# KiCad board rp2040.kicad_pcb (continued)
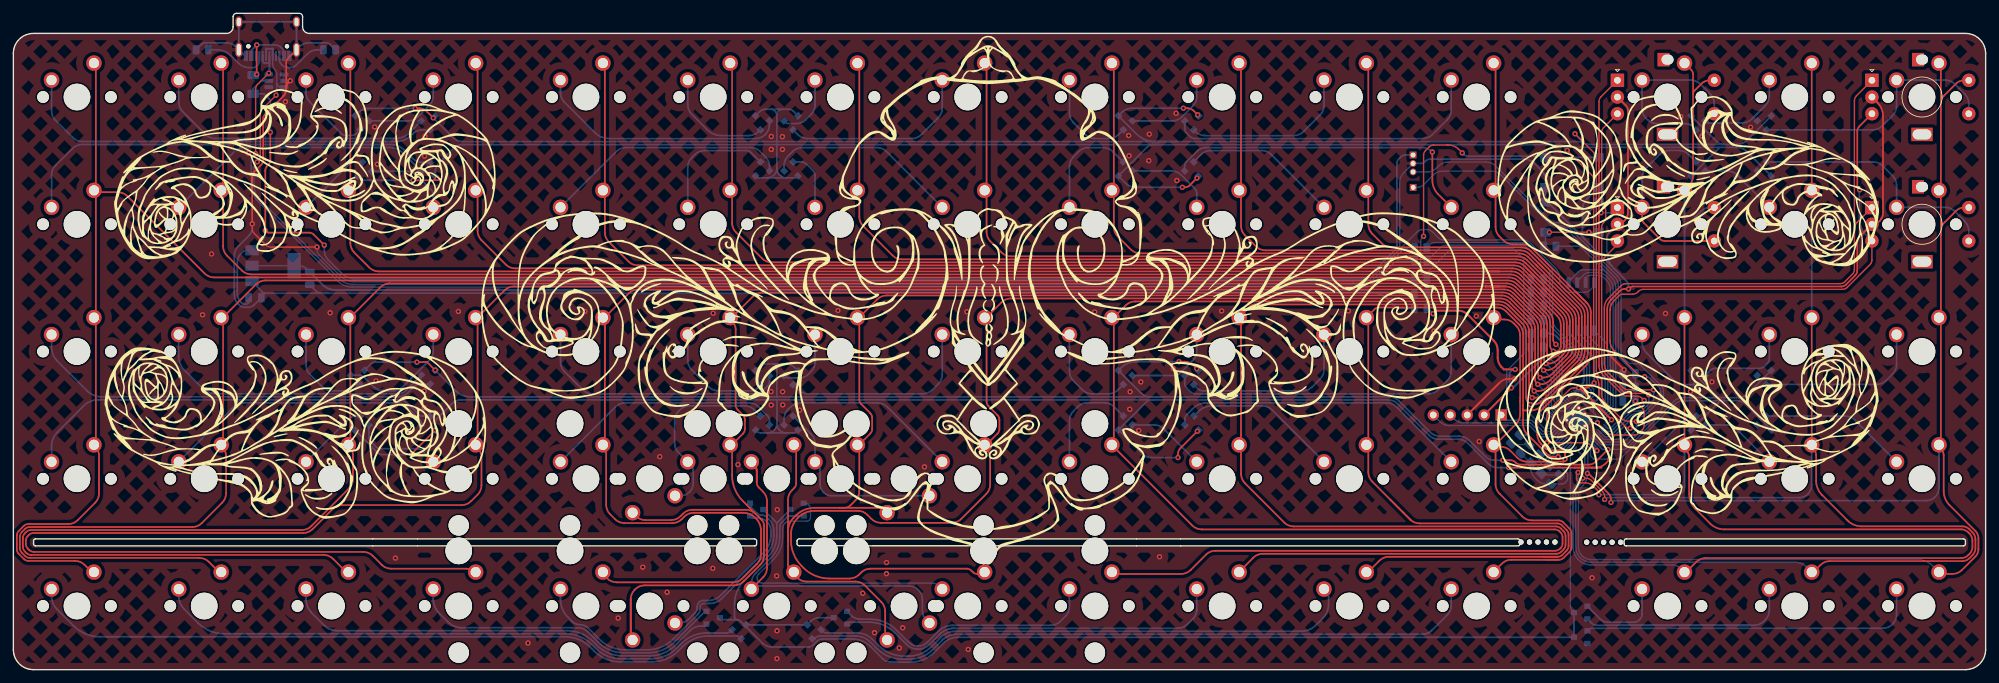
[diagram p0: board, top side]
## Routing (per net, layer and track width the routed paths; a pad name or vN(x,y) marks a point on that pad's centre or on a via; arc(x,y) is an arc through that point) (continued)
Net-(D1-Pad1): length 65
  Bottom w0.25: D1.1 61.19,80.8 arc(60.42,80.64) 59.77,80.21 59.51,79.95 arc(58.54,79.3) 57.39,79.07 10.3,79.07 arc(9.54,79.22) 8.89,79.66 6.3,82.24 arc(5.87,82.89) 5.71,83.66 5.71,88.27 ; 5.72,88.28 5.72,88.12 arc(5.75,87.98) 5.83,87.86 6.25,87.45
Net-(D1-Pad2): length 43.2
  Bottom w0.25: 24.72,88.22 24.76,88.26 arc(24.77,88.26) 24.78,88.25 24.78,88.22 ; D1.2 61.06,82.14 arc(61.05,82.14) 61.04,82.13 59.31,80.4 arc(58.33,79.75) 57.19,79.52 30.2,79.52 arc(29.44,79.67) 28.79,80.1 25.35,83.54 arc(24.92,84.19) 24.76,84.96 24.76,88.27
Net-(D2-Pad1): length 41.3
  Bottom w0.25: D2.1 58.38,77.29 arc(57.41,77.94) 56.26,78.17 34.55,78.17 arc(33.78,78.02) 33.13,77.58 SW5.1
Net-(D2-Pad2): length 64.6
  Bottom w0.25: D2.2 61.19,75.95 arc(60.42,76.11) 59.77,76.54 58.57,77.74 arc(57.6,78.39) 56.45,78.62 10.29,78.62 arc(9.53,78.47) 8.88,78.03 6.3,75.46 arc(5.87,74.81) 5.71,74.04 SW1.1
Net-(D3-Pad1): length 63.8
  Bottom w0.25: 5.72,50.18 5.72,50.07 arc(5.74,49.98) 5.8,49.9 6.29,49.4 ; D3.1 60.78,42.74 arc(60.4,42.67) 60.08,42.45 59.06,41.43 arc(58.41,41) 57.65,40.85 13.18,40.85 arc(12.04,41.07) 11.06,41.73 6.59,46.19 arc(5.94,47.17) 5.71,48.31 SW2.1
Net-(D3-Pad2): length 43.7
  Bottom w0.25: 24.78,50.18 24.78,49.87 ; D3.2 58.87,41.88 arc(58.22,41.45) 57.46,41.3 30.39,41.3 arc(29.24,41.52) 28.27,42.17 25.62,44.82 arc(24.97,45.79) 24.74,46.94 24.74,50.13 arc(24.75,50.14) 24.75,50.15 SW6.1
Net-(D4-Pad1): length 41.4
  Bottom w0.25: D4.1 61.08,36.88 arc(61.02,37.15) 60.87,37.37 58.88,39.36 arc(58.23,39.8) 57.47,39.95 34.84,39.95 arc(33.69,39.72) 32.72,39.07 24.76,31.12
Net-(D4-Pad2): length 63.3
  Bottom w0.25: D4.2 61.35,37.94 arc(60.97,38.01) 60.65,38.23 59.07,39.81 arc(58.42,40.24) 57.65,40.4 12.67,40.4 arc(11.53,40.17) 10.55,39.52 6.59,35.56 arc(5.94,34.59) 5.71,33.44 5.71,31.12
Net-(D5-Pad1): length 109.5
  Bottom w0.25: D5.1 108.75,4.83 arc(108.51,4.99) 108.24,5.04 104.03,5.04 arc(101.95,4.63) 100.19,3.45 99.5,2.76 arc(97.74,1.58) 95.65,1.17 90.82,1.17 arc(88.74,1.58) 86.97,2.76 86.4,3.33 arc(84.64,4.51) 82.55,4.93 12.91,4.93 arc(10.83,5.34) 9.06,6.52 6.51,9.07 arc(5.93,9.94) 5.72,10.97 5.72,12.08
Net-(D5-Pad2): length 88.9
  Bottom w0.25: D5.2 107.37,5.73 arc(107.11,5.56) 106.8,5.49 103.85,5.49 arc(101.77,5.08) 100,3.9 99.31,3.21 arc(97.55,2.03) 95.47,1.62 91,1.62 arc(88.92,2.03) 87.16,3.21 86.59,3.78 arc(84.82,4.96) 82.74,5.38 31.51,5.38 arc(29.43,5.79) 27.66,6.97 25.56,9.07 arc(24.98,9.94) 24.78,10.97 24.78,12.08
Net-(D6-Pad1): length 13.9
  Bottom w0.25: D6.1 59.15,82.16 arc(59.92,82.32) 60.56,82.75 62.28,84.47 arc(62.71,85.11) 62.86,85.88 62.86,88.27
Net-(D6-Pad2): length 14.3
  Bottom w0.25: 44.5,87.61 43.83,88.28 ; 43.81,88.27 43.81,86.37 arc(43.97,85.6) 44.4,84.95 49.09,80.26 arc(49.42,80.04) 49.8,79.97 50.64,79.97 arc(51.02,80.04) 51.35,80.26 D6.2
Net-(D7-Pad1): length 11.2
  Bottom w0.25: SW9.1 50.26,75.66 arc(50.59,75.88) 50.97,75.95 D7.1
Net-(D7-Pad2): length 12.7
  Bottom w0.25: SW14.1 62.86,71.12 arc(62.79,71.5) 62.57,71.82 60.37,74.02 arc(59.72,74.46) 58.96,74.61 D7.2
Net-(D8-Pad1): length 15.7
  Bottom w0.25: 44.44,49.56 43.83,50.18 ; SW10.1 43.81,45.61 arc(43.97,44.84) 44.4,44.19 46.26,42.33 arc(46.91,41.9) 47.68,41.75 50.42,41.75 arc(50.8,41.82) 51.13,42.04 D8.1
Net-(D8-Pad2): length 19.4
  Bottom w0.25: SW15.1 62.86,47.73 arc(62.71,46.96) 62.28,46.31 58.3,42.33 arc(57.65,41.9) 56.88,41.75 55.39,41.75 arc(54.62,41.9) 53.97,42.33 52.51,43.79 arc(52.19,44.01) 51.81,44.08 D8.2 ; 63.55,49.51 62.88,50.18
Net-(D9-Pad1): length 10.9
  Bottom w0.25: D9.1 51.04,37.93 arc(50.66,37.85) 50.34,37.64 43.81,31.12
Net-(D9-Pad2): length 13
  Bottom w0.25: 62.86,31.12 61.2,32.78 arc(60.88,33) 60.49,33.07 54.98,33.07 arc(54.59,33.15) 54.27,33.37 53.54,34.1 arc(53.32,34.42) 53.24,34.81 D9.2
Net-(D10-Pad1): length 66.5
  Bottom w0.25: 43.83,12.08 43.83,10.66 arc(43.83,10.57) 43.83,10.49 arc(43.83,10.4) 43.84,10.32 43.85,10.24 arc(43.87,10.07) 43.9,9.91 arc(43.94,9.74) 44,9.58 arc(44.06,9.43) 44.12,9.27 arc(44.2,9.12) 44.29,8.98 arc(44.38,8.84) 44.48,8.7 44.53,8.64 arc(44.59,8.57) 44.64,8.51 arc(44.7,8.45) 44.76,8.39 46.39,6.76 arc(46.45,6.7) 46.51,6.65 arc(46.57,6.59) 46.64,6.53 46.7,6.48 arc(46.84,6.38) 46.98,6.29 arc(47.12,6.2) 47.27,6.12 arc(47.43,6.06) 47.58,6 arc(47.74,5.94) 47.91,5.9 arc(48.07,5.87) 48.24,5.85 48.32,5.84 arc(48.4,5.83) 48.49,5.83 arc(48.57,5.83) 48.66,5.83 82.93,5.83 arc(85.01,5.41) 86.77,4.23 87.34,3.66 arc(89.11,2.48) 91.19,2.07 95.28,2.07 arc(97.36,2.48) 99.13,3.66 101.36,5.9 arc(102.06,6.36) 102.88,6.53 103.77,6.53
Net-(D10-Pad2): length 48.2
  Bottom w0.25: 62.88,12.08 62.88,10.66 arc(62.88,10.57) 62.88,10.49 arc(62.88,10.4) 62.89,10.32 62.9,10.24 arc(62.92,10.07) 62.95,9.91 arc(62.99,9.74) 63.05,9.58 arc(63.11,9.43) 63.17,9.27 arc(63.25,9.12) 63.34,8.98 arc(63.43,8.84) 63.53,8.7 63.58,8.64 arc(63.64,8.57) 63.69,8.51 arc(63.75,8.45) 63.81,8.39 64.99,7.21 arc(65.05,7.15) 65.11,7.09 arc(65.17,7.04) 65.24,6.98 65.3,6.93 arc(65.44,6.83) 65.58,6.74 arc(65.72,6.65) 65.87,6.57 arc(66.03,6.51) 66.18,6.45 arc(66.34,6.39) 66.51,6.35 arc(66.67,6.32) 66.84,6.3 66.92,6.29 arc(67,6.28) 67.09,6.28 arc(67.17,6.28) 67.26,6.28 83.6,6.28 arc(83.6,6.28) 83.61,6.28 84.49,6.28 arc(85.3,6.11) 85.99,5.65 87.53,4.11 arc(89.29,2.93) 91.38,2.52 95.09,2.52 arc(97.18,2.93) 98.94,4.11 103.48,8.66 arc(103.57,8.71) 103.66,8.73 D10.2
Net-(D11-Pad1): length 39
  Bottom w0.25: 81.92,88.28 82.59,87.61 ; 81.91,88.27 81.91,86.37 arc(82.07,85.6) 82.5,84.95 87.07,80.39 arc(88.04,79.74) 89.19,79.51 111.14,79.51 arc(111.9,79.66) 112.55,80.1 112.61,80.15 arc(113.04,80.8) 113.19,81.57 D11.1
Net-(D11-Pad2): length 17.8
  Bottom w0.25: 100.97,88.28 100.97,87.52 ; D11.2 111.57,80.54 arc(110.93,80.11) 110.16,79.96 105.99,79.96 arc(104.84,80.19) 103.87,80.84 101.55,83.15 arc(101.12,83.8) 100.96,84.57 100.96,88.27
Net-(D12-Pad1): length 18.9
  Bottom w0.25: D12.1 110.44,77.42 arc(110.12,77.64) 109.73,77.71 103.45,77.71 arc(102.69,77.56) 102.04,77.13 101.55,76.64 arc(101.12,75.99) 100.96,75.22 SW22.1
Net-(D12-Pad2): length 37.1
  Bottom w0.25: D12.2 113.2,75.32 arc(113.05,76.09) 112.62,76.74 111.78,77.58 arc(111.13,78.01) 110.37,78.16 91.69,78.16 arc(90.92,78.01) 90.28,77.58 SW18.1
Net-(D13-Pad1): length 42.2
  Bottom w0.25: 84.3,42.83 82.5,44.63 arc(82.07,45.28) 81.91,46.05 SW19.1 ; 84.3,42.83 83.1,44.04 ; 84.3,42.83 85.26,41.88 arc(85.91,41.44) 86.67,41.29 110.93,41.29 arc(111.69,41.44) 112.34,41.88 112.91,42.45 arc(113.13,42.77) 113.2,43.15 D13.1 ; 81.92,50.18 81.95,50.18 arc(81.97,50.17) 81.99,50.16 82.69,49.45
Net-(D13-Pad2): length 17.3
  Bottom w0.25: D13.2 111.24,42.03 arc(110.92,41.82) 110.53,41.74 105.53,41.74 arc(104.77,41.89) 104.12,42.32 101.55,44.89 arc(101.12,45.54) 100.96,46.31 SW23.1
Net-(D14-Pad1): length 28.8
  Bottom w0.25: D14.1 110.92,38.91 arc(110.27,39.34) 109.51,39.49 101.22,39.49 arc(100.46,39.34) 99.81,38.91 99.59,38.69 arc(99.16,38.04) 99,37.27 99,33.9 arc(99.16,33.14) 99.59,32.49 101.38,30.7 arc(101.69,30.24) 101.8,29.7 101.8,27.93 arc(101.65,27.2) 101.24,26.59 arc(100.63,26.18) 99.9,26.04 SW25_1.1
Net-(D14-Pad2): length 36.7
  Bottom w0.25: D14.2 113.2,37.31 arc(113.13,37.69) 112.91,38.01 111.57,39.36 arc(110.92,39.79) 110.16,39.94 91.57,39.94 arc(90.8,39.79) 90.16,39.36 81.91,31.12
Net-(D15-Pad1): length 25.7
  Bottom w0.25: SW25.1 99.8,6.99 arc(100.48,7.12) 101.06,7.51 102.03,8.48 arc(102.29,8.86) 102.38,9.32 102.38,9.43 arc(102.45,9.78) 102.65,10.08 arc(102.95,10.28) 103.31,10.35 104.03,10.35 arc(105.05,10.55) 105.91,11.13 112.34,17.56 arc(113.12,18.73) 113.39,20.1 113.39,20.82 arc(113.25,21.53) 112.85,22.13 arc(112.25,22.53) 111.54,22.67 110.88,22.67 arc(110.65,22.72) 110.46,22.85 D15.1
Net-(D15-Pad2): length 51.6
  Bottom w0.25: D15.2 110.28,24.7 arc(110.33,24.49) 110.44,24.31 111.33,23.43 arc(111.67,23.2) 112.06,23.12 arc(112.46,23.04) 112.8,22.82 113.17,22.45 arc(113.67,21.7) 113.84,20.82 113.84,20.1 arc(113.54,18.55) 112.66,17.24 106.1,10.68 arc(105.23,10.1) 104.21,9.9 103.31,9.9 arc(103.12,9.86) 102.97,9.76 arc(102.87,9.61) 102.83,9.43 102.83,9.13 arc(102.74,8.68) 102.48,8.29 98.76,4.56 arc(96.99,3.38) 94.91,2.97 91.56,2.97 arc(89.48,3.38) 87.72,4.56 86.05,6.23 arc(85.5,6.6) 84.85,6.73 arc(84.2,6.85) 83.65,7.22 83.01,7.86 arc(82.2,9.08) 81.91,10.51 SW21.1
Net-(D16-Pad1): length 29.4
  Bottom w0.25: 139.06,88.27 139.06,84.05 arc(138.91,83.28) 138.48,82.63 135.94,80.1 arc(135.29,79.66) 134.53,79.51 118.87,79.51 arc(118.1,79.66) 117.46,80.1 D16.1 ; 139.08,88.28 139.08,88.12
Net-(D16-Pad2): length 10.5
  Bottom w0.25: D16.2 115.6,81.96 arc(115.83,81.8) 116.1,81.75 117.22,81.75 arc(117.99,81.9) 118.64,82.33 119.43,83.12 arc(119.86,83.77) 120.02,84.54 120.02,88.27 ; 120.02,88.28 120.02,87.77
Net-(D17-Pad1): length 29.5
  Bottom w0.25: SW30.1 130.7,77.58 arc(130.06,78.01) 129.29,78.16 118.08,78.16 arc(117.32,78.01) 116.67,77.58 115.97,76.88 arc(115.54,76.23) 115.39,75.46 D17.1
Net-(D17-Pad2): length 9.1
  Bottom w0.25: D17.2 118.01,76 arc(118.4,75.92) 118.72,75.71 119.72,74.7 arc(119.94,74.38) 120.02,74 SW26.1
Net-(D18-Pad1): length 31.5
  Bottom w0.25: 139.08,50.18 139.15,50.18 arc(139.21,50.16) 139.27,50.12 139.95,49.45 ; SW31.1 139.06,44.2 arc(138.91,43.43) 138.48,42.78 137.57,41.88 arc(136.92,41.44) 136.16,41.29 118.92,41.29 arc(118.15,41.44) 117.51,41.88 D18.1
Net-(D18-Pad2): length 11.2
  Bottom w0.25: SW27.1 120.02,46.03 arc(119.86,45.26) 119.43,44.61 119.08,44.27 arc(118.43,43.83) 117.67,43.68 115.92,43.68 arc(115.72,43.72) 115.54,43.84 D18.2 ; 120.8,49.45 120.09,50.16 arc(120.07,50.17) 120.05,50.18 120.02,50.18
Net-(D19-Pad1): length 29.4
  Bottom w0.25: 139.06,31.12 130.82,39.36 arc(130.18,39.79) 129.41,39.94 118.2,39.94 arc(117.05,39.71) 116.08,39.06 115.97,38.96 arc(115.54,38.31) 115.39,37.54 D19.1
Net-(D19-Pad2): length 29.1
  Bottom w0.25: SW29_3.1 122.51,26.04 arc(121.84,26.17) 121.28,26.54 arc(120.91,27.1) 120.77,27.77 120.77,29.82 arc(120.68,30.31) 120.39,30.74 120.02,31.12 ; 120.02,31.13 120.02,33.85 arc(119.87,34.61) 119.44,35.26 D19.2
Net-(D20-Pad1): length 45.1
  Bottom w0.2: D20.1 118.58,24.92 arc(118.81,24.87) 119,24.74 119.08,24.66 arc(119.28,24.37) 119.34,24.03 119.34,22.8 arc(119.3,22.59) 119.18,22.41 arc(119,22.28) 118.78,22.24 116.3,22.24 arc(115.87,22.15) 115.5,21.91 arc(115.26,21.54) 115.17,21.11 115.17,19.73 arc(114.83,18.02) 113.86,16.57 111.58,14.28 arc(111.4,14.03) 111.34,13.73 111.34,13.72 arc(111.4,13.42) 111.57,13.18 arc(111.82,13.01) 112.11,12.95 137.55,12.95 arc(138.13,12.84) 138.62,12.51 SW33.1
Net-(D20-Pad2): length 70.8
  Top w0.25: SW29.1 112.25,13.82 arc(112.68,14.47) 112.83,15.24 112.83,25.22 arc(112.68,25.98) 112.25,26.63 111.59,27.29 arc(111.37,27.62) 111.3,28 ; 111.3,28 111.3,29.74 arc(111.19,30.27) 110.89,30.71 110.49,31.12 ; 111.3,28 111.3,29.77 arc(111.19,30.29) 110.9,30.73 110.5,31.13
  Bottom w0.25: SW29_1.1 136.63,7.52 arc(136.23,8.11) 136.09,8.8 136.09,10.5 arc(135.94,11.28) 135.5,11.93 arc(134.85,12.37) 134.07,12.53 110.95,12.53 SW29.1 ; D20.2 116.32,23.02 arc(116.03,22.96) 115.8,22.81 114.96,21.97 arc(114.8,21.73) 114.74,21.45 114.74,19.9 arc(114.41,18.19) 113.44,16.75 111.1,14.41 arc(110.65,13.73) 110.49,12.93 110.49,12.39 arc(110.57,12.27) 110.72,12.3 arc(110.98,12.47) 111.28,12.53
Net-(D21-Pad1): length 14.3
  Bottom w0.25: 177.17,88.27 177.17,85.8 arc(177.01,85.03) 176.58,84.38 174.95,82.75 arc(174.3,82.32) 173.53,82.16 D21.1 ; 177.18,88.28 177.18,87.87
Net-(D21-Pad2): length 16.4
  Bottom w0.25: 158.7,87.5 158.2,88 arc(158.14,88.08) 158.12,88.17 158.12,88.28 ; D21.2 165.45,80.1 arc(164.81,79.66) 164.04,79.51 161.91,79.51 arc(161.15,79.66) 160.5,80.1 158.7,81.89 arc(158.27,82.54) 158.12,83.31 158.12,88.27
Net-(D22-Pad1): length 16.5
  Bottom w0.25: D22.1 164.58,77.58 arc(163.94,78.01) 163.17,78.16 160.92,78.16 arc(160.16,78.01) 159.51,77.58 158.7,76.77 arc(158.27,76.12) 158.12,75.35 SW34.1
Net-(D22-Pad2): length 13.3
  Bottom w0.25: D22.2 173.42,74.66 arc(174.19,74.5) 174.84,74.07 176.87,72.03 arc(177.09,71.71) 177.17,71.33 SW38.1
Net-(D23-Pad1): length 14
  Bottom w0.25: SW39.1 177.17,47.69 arc(177.01,46.92) 176.58,46.27 174.93,44.62 arc(174.28,44.19) 173.51,44.03 D23.1 ; 177.18,50.18 177.27,50.18
Net-(D23-Pad2): length 16.7
  Bottom w0.25: SW35.1 158.12,44.65 arc(158.27,43.88) 158.7,43.23 160.06,41.88 arc(160.71,41.44) 161.47,41.29 163.95,41.29 arc(164.72,41.44) 165.36,41.88 D23.2 ; 158.8,49.55 158.19,50.16 arc(158.17,50.17) 158.15,50.18 158.12,50.18
Net-(D24-Pad1): length 16.4
  Bottom w0.25: 158.12,31.12 158.12,37.28 arc(158.27,38.05) 158.7,38.7 159.36,39.36 arc(160.01,39.79) 160.77,39.94 163.38,39.94 arc(164.15,39.79) 164.79,39.36 D24.1
Net-(D24-Pad2): length 11.8
  Bottom w0.25: D24.2 170.83,36.63 arc(171.59,36.47) 172.24,36.04 177.17,31.12
Net-(D25-Pad1): length 40.2
  Bottom w0.25: SW37.1 158.12,9.43 arc(157.96,8.66) 157.53,8.01 156.74,7.23 arc(156.09,6.79) 155.33,6.64 140.63,6.64 arc(139.48,6.41) 138.51,5.76 136.83,4.09 arc(136.19,3.66) 135.44,3.51 arc(134.68,3.66) 134.04,4.09 132.18,5.96 arc(130.41,7.14) 128.33,7.55 126.83,7.55 arc(126.06,7.7) 125.4,8.14 D25.1
Net-(D25-Pad2): length 60.4
  Bottom w0.25: 177.18,12.08 177.18,11.97 arc(177.19,11.87) 177.25,11.78 177.74,11.3 ; D25.2 124.95,6.97 arc(125.1,7.07) 125.28,7.1 128.14,7.1 arc(130.22,6.69) 131.99,5.51 133.73,3.77 arc(134.51,3.25) 135.44,3.06 arc(136.37,3.25) 137.15,3.77 138.63,5.25 arc(138.69,5.31) 138.75,5.37 arc(138.81,5.43) 138.88,5.48 138.94,5.53 arc(139.08,5.64) 139.22,5.73 arc(139.36,5.81) 139.51,5.89 arc(139.67,5.96) 139.82,6.02 arc(139.98,6.07) 140.15,6.11 arc(140.31,6.15) 140.48,6.17 140.56,6.18 arc(140.65,6.19) 140.73,6.19 arc(140.81,6.19) 140.9,6.19 174.28,6.19 arc(174.35,6.19) 174.41,6.19 arc(174.48,6.19) 174.54,6.2 174.61,6.21 arc(174.74,6.23) 174.86,6.26 arc(174.99,6.3) 175.11,6.34 arc(175.23,6.4) 175.35,6.46 arc(175.46,6.53) 175.56,6.61 175.61,6.65 arc(175.67,6.69) 175.71,6.73 arc(175.76,6.78) 175.81,6.82 176.53,7.55 arc(176.58,7.59) 176.62,7.64 arc(176.67,7.69) 176.71,7.74 176.75,7.79 arc(176.83,7.9) 176.9,8.01 arc(176.96,8.13) 177.01,8.24 arc(177.06,8.37) 177.1,8.49 arc(177.12,8.62) 177.15,8.75 177.15,8.81 arc(177.16,8.88) 177.16,8.94 arc(177.16,9.01) 177.17,9.07 SW41.1
Net-(D26-Pad1): length 26.2
  Bottom w0.25: 196.22,88.27 196.22,84.45 arc(196.06,83.68) 195.63,83.03 193.14,80.54 arc(192.49,80.11) 191.73,79.96 178.38,79.96 arc(177.61,80.11) 176.97,80.54 D26.1 ; 196.23,88.28 196.23,87.87
Net-(D26-Pad2): length 49.4
  Bottom w0.25: D26.2 175.37,81 arc(175.44,80.62) 175.66,80.3 176.15,79.8 arc(176.48,79.59) 176.86,79.51 211.03,79.51 arc(211.79,79.66) 212.44,80.1 214.68,82.33 arc(215.11,82.98) 215.27,83.75 215.27,88.27 ; 215.28,88.28 216,87.56
Net-(D27-Pad1): length 49.7
  Top w0.25: v1(212.44,77.49) 212.44,73.28 arc(212.67,72.13) 213.32,71.16 SW46.1
  Bottom w0.25: v1(212.44,77.49) 212.35,77.58 arc(211.7,78.01) 210.94,78.16 204.87,78.16 ; D27.1 175.35,75.34 arc(175.42,75.72) 175.64,76.04 177.17,77.58 arc(177.82,78.01) 178.58,78.16 203.74,78.16 ; 204.87,78.16 203.74,78.16 ; 204.87,78.16 203.74,78.16
Net-(D27-Pad2): length 23.6
  Bottom w0.25: SW42.1 188.3,77.13 arc(187.66,77.56) 186.89,77.71 179.23,77.71 arc(178.47,77.56) 177.82,77.13 D27.2
Net-(D28-Pad1): length 27.8
  Bottom w0.25: D28.1 177.37,42.03 arc(177.69,41.82) 178.08,41.74 193.04,41.74 arc(193.8,41.89) 194.45,42.32 195.63,43.5 arc(196.06,44.15) 196.22,44.92 SW43.1 ; 197.05,49.6 196.56,50.09 arc(196.46,50.15) 196.35,50.18 196.23,50.18
Net-(D28-Pad2): length 50
  Bottom w0.25: SW47.1 215.27,44.7 arc(215.11,43.93) 214.68,43.28 213.27,41.88 arc(212.62,41.44) 211.86,41.29 176.92,41.29 arc(176.54,41.37) 176.21,41.58 175.66,42.14 arc(175.44,42.46) 175.37,42.84 D28.2 ; 216,49.6 215.47,50.12 arc(215.41,50.16) 215.35,50.18 215.28,50.18
Net-(D29-Pad1): length 45.4
  Bottom w0.25: 215.27,31.12 208.16,38.22 arc(208.16,38.22) 208.16,38.23 arc(208.16,38.24) 208.15,38.25 207.04,39.36 arc(206.4,39.79) 205.63,39.94 178.68,39.94 arc(177.53,39.71) 176.56,39.06 175.68,38.18 arc(175.46,37.86) 175.39,37.48 D29.1
Net-(D29-Pad2): length 23.4
  Bottom w0.25: 196.22,31.12 188.42,38.91 arc(187.78,39.34) 187.01,39.49 179.49,39.49 arc(178.35,39.26) 177.37,38.61 D29.2
Net-(D30-Pad1): length 83
  Bottom w0.25: SW45.1 196.22,12.06 arc(196.22,12.06) 196.22,12.06 196.56,11.72 arc(196.82,11.34) 196.91,10.9 196.91,9.8 arc(196.68,8.65) 196.03,7.68 194.96,6.62 arc(193.99,5.97) 192.84,5.74 141,5.74 arc(139.85,5.51) 138.88,4.86 137.46,3.44 arc(135.89,2.39) 134.04,2.03 133.36,2.03 arc(131.28,2.44) 129.52,3.62 128.58,4.56 arc(127.54,5.25) 126.32,5.49 121.76,5.49 arc(121.45,5.56) 121.18,5.73 D30.1
Net-(D30-Pad2): length 103.7
  Bottom w0.25: 215.78,11.3 215.37,11.72 arc(215.3,11.82) 215.28,11.94 215.28,12.08 ; SW49.1 215.27,9.67 arc(215.26,9.61) 215.26,9.54 arc(215.26,9.48) 215.25,9.41 215.25,9.35 arc(215.22,9.22) 215.19,9.09 arc(215.16,8.97) 215.11,8.84 arc(215.06,8.72) 215,8.61 arc(214.93,8.5) 214.85,8.39 214.81,8.34 arc(214.77,8.29) 214.72,8.24 arc(214.68,8.19) 214.63,8.15 212.41,5.92 arc(212.36,5.88) 212.32,5.83 arc(212.27,5.79) 212.22,5.75 212.16,5.71 arc(212.06,5.63) 211.95,5.56 arc(211.83,5.5) 211.71,5.45 arc(211.59,5.4) 211.47,5.36 arc(211.34,5.33) 211.21,5.31 211.14,5.3 arc(211.08,5.3) 211.01,5.29 arc(210.95,5.29) 210.88,5.29 141.27,5.29 arc(141.19,5.29) 141.1,5.29 arc(141.02,5.29) 140.93,5.28 140.85,5.27 arc(140.68,5.25) 140.52,5.21 arc(140.36,5.17) 140.2,5.12 arc(140.04,5.06) 139.89,4.99 arc(139.74,4.92) 139.59,4.83 arc(139.45,4.74) 139.32,4.64 139.25,4.58 arc(139.19,4.53) 139.13,4.47 arc(139.07,4.41) 139.01,4.35 137.65,2.99 arc(136.08,1.95) 134.22,1.58 133.1,1.58 arc(131.02,1.99) 129.25,3.17 128.32,4.11 arc(127.28,4.8) 126.06,5.04 120.84,5.04 arc(120.37,4.95) 119.97,4.68 119.61,4.32
Net-(D31-Pad1): length 15.9
  Bottom w0.25: 262.9,88.28 262.9,88.15 ; D31.1 253.42,82 arc(253.6,81.88) 253.81,81.84 258.85,81.84 arc(259.61,81.99) 260.26,82.42 261.66,83.82 ; 261.66,83.82 260.51,82.67 ; 261.66,83.82 262.3,84.47 arc(262.74,85.11) 262.89,85.88 262.89,88.27
Net-(D32-Pad2): length 11.8
  Bottom w0.25: SW54.1 258.04,74.07 arc(257.39,74.5) 256.62,74.66 D32.2
Net-(D33-Pad1): length 15.5
  Bottom w0.25: SW55.1 262.89,46.56 arc(262.81,46.18) 262.6,45.85 262.14,45.39 arc(261.81,45.18) 261.43,45.1 254.76,45.1 arc(254.38,45.02) 254.06,44.81 D33.1 ; 263.75,49.55 263.2,50.1 arc(263.11,50.15) 263.01,50.18 262.9,50.18
Net-(D33-Pad2): length 13.3
  Bottom w0.25: 243.85,50.18 243.85,50.04 arc(243.88,49.91) 243.95,49.8 244.4,49.35 ; D33.2 249.66,42.68 arc(249.28,42.76) 248.95,42.97 244.58,47.35 arc(244.03,48.16) 243.84,49.13 SW51.1
Net-(D34-Pad1): length 10.9
  Bottom w0.2: 243.84,31.12 250.4,37.68 arc(250.73,37.89) 251.11,37.97 D34.1
Net-(D34-Pad2): length 11.8
  Bottom w0.25: 262.89,31.12 257.97,36.04 arc(257.32,36.47) 256.55,36.63 D34.2
Net-(D35-Pad1): length 14.4
  Bottom w0.25: 243.85,12.08 244.46,11.47 ; D35.1 237.62,7.53 arc(238.1,7.2) 238.68,7.09 242.65,7.09 arc(243.03,7.17) 243.36,7.38 243.55,7.57 arc(243.76,7.9) 243.84,8.28 SW53.1
Net-(D35-Pad2): length 56.2
  Bottom w0.25: D35.2 236.31,6.93 arc(236.64,6.72) 237.02,6.64 259.89,6.64 258.76,6.64 ; 240.06,6.64 256.33,6.64 ; 256.33,6.64 258.76,6.64 ; 256.33,6.64 258.83,6.64 ; 258.76,6.64 arc(258.8,6.64) 258.83,6.64 ; SW57.1 262.89,8.89 arc(262.74,8.13) 262.3,7.48 262.05,7.23 arc(261.4,6.79) 260.64,6.64 258.83,6.64 ; 262.9,12.08 263.4,11.57
Net-(D38-Pad1): length 25.7
  Bottom w0.25: 281.95,50.18 282.07,50.18 ; SW59.1 281.94,45.67 arc(281.79,44.91) 281.35,44.26 280.38,43.29 arc(279.73,42.85) 278.97,42.7 D38.1
Net-(D39-Pad2): length 22.3
  Bottom w0.25: D39.2 274.26,37.97 arc(275.02,37.82) 275.67,37.38 281.94,31.12
Net-(D40-Pad1): length 51.4
  Bottom w0.25: D40.1 235.84,6 arc(236.06,6.14) 236.31,6.19 279.88,6.19 arc(280.64,6.34) 281.29,6.78 281.35,6.84 arc(281.79,7.49) 281.94,8.25 SW61.1
Net-(J0-PadA5): length 9.8
  Bottom w0.25: R7.1 30.44,92.8 arc(31.6,92.57) 32.59,91.91 33.72,90.78 arc(34.45,90.29) 35.3,90.13 35.8,90.13 arc(36.19,90.2) 36.53,90.43 arc(36.75,90.76) 36.83,91.15 36.83,91.88
Net-(J0-PadB5): length 8.7
  Bottom w0.25: 39.83,91.88 39.83,91.39 arc(39.91,90.94) 40.17,90.56 40.21,90.52 arc(40.64,90.23) 41.15,90.13 41.45,90.13 arc(41.94,90.23) 42.36,90.51 44.03,92.18 arc(44.72,92.64) 45.53,92.8 R6.1
Net-(R3-Pad2): length 42.9
  Bottom w0.2: 230.43,58.99 230.43,52.5 arc(230.58,51.74) 231.01,51.09 235.38,46.72 arc(235.81,46.07) 235.97,45.31 235.97,42.63 236.58,42.01 236.58,41 U3.47 ; 230.43,58.8 230.43,59.58 arc(230.35,59.96) 230.13,60.29 227.07,63.35 arc(226.43,63.78) 225.66,63.93 212.78,63.93 arc(212.4,63.85) 212.08,63.64 R3.2
Net-(R4-Pad2): length 42.8
  Bottom w0.2: R4.2 213.7,63.24 arc(214.02,63.45) 214.4,63.53 225.49,63.53 arc(226.26,63.38) 226.91,62.95 229.73,60.12 arc(229.95,59.8) 230.03,59.41 230.03,52.34 arc(230.18,51.57) 230.61,50.92 234.97,46.57 arc(235.4,45.92) 235.56,45.15 235.56,42.48 236.19,41.85 236.19,41.17 U3.46 ; U3.46 236.07,41.06 ; U3.46 arc(235.8,40.78) 235.8,40.78 arc(235.8,40.78) U3.46
unconnected-(U3-Pad11): length 0
  Bottom w0.2: U3.11 235.8,33.94

## Copper pours and planes (outline as drawn; the poured copper is in the pictures)
GND on Top, Bottom: 313.06,-12.39 -10.02,-12.39 -10.02,108.72 313.06,108.72

## Text on the board
B.Silkscreen: RST | SWCLK | SWD | GND | 3.3 | +5V | +1.1V | DATA OUT | |Stucco[15-10] V² / |PCB by ScatteredDrifter
